# Altium PCB TIDA-01349_PCB.PcbDoc (part 1 of 2) (continued)
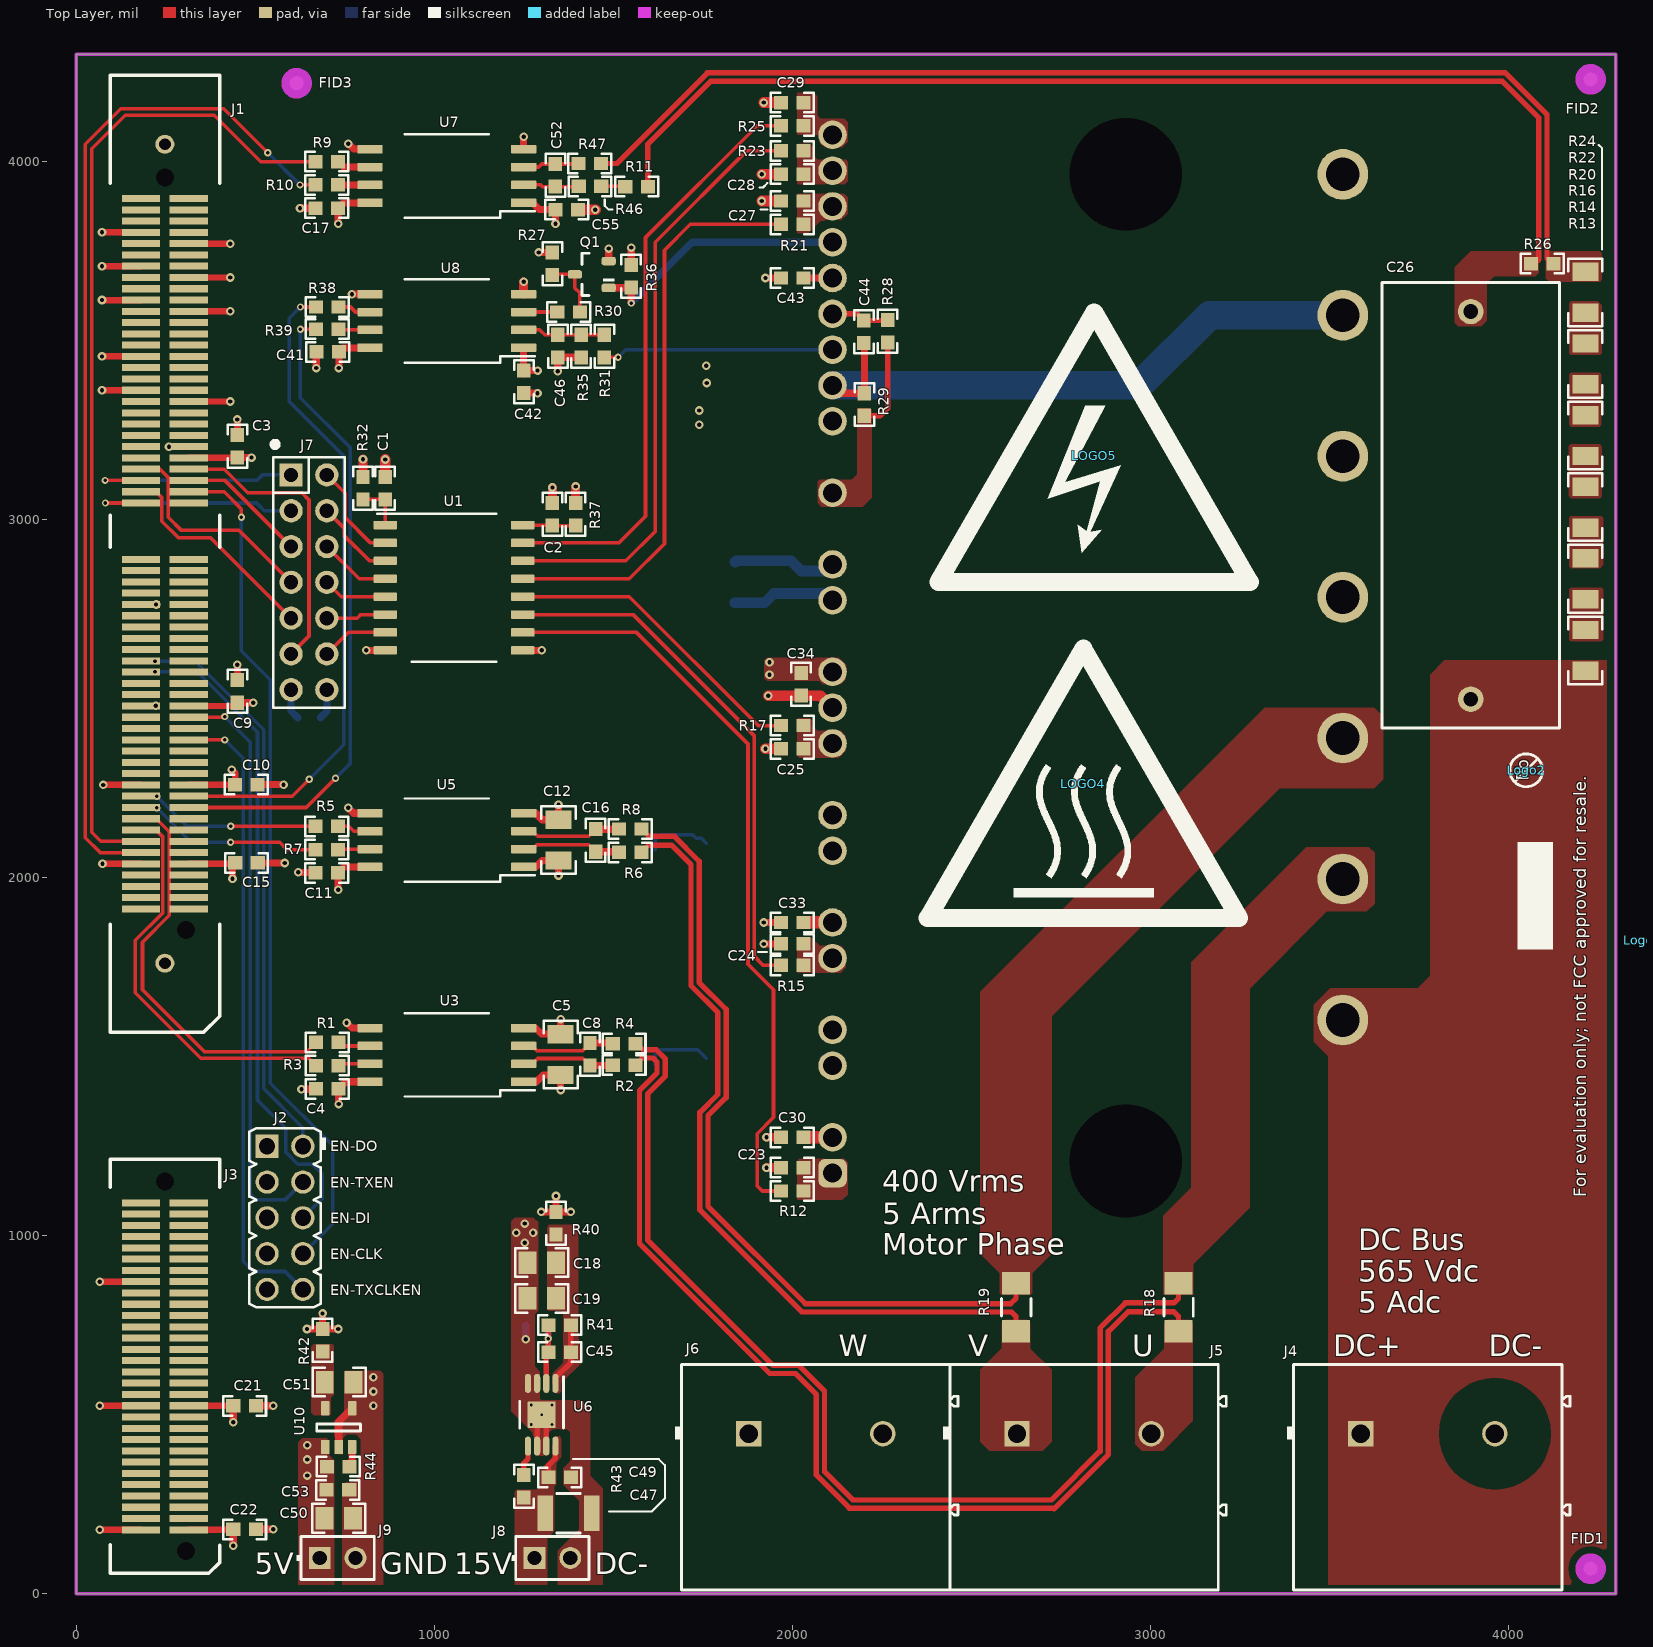
[diagram p0: Top Layer view]
## Part data (continued)
C44: library part CMP-0006888-2, "CAP, CERM, 180 pF, 50 V, +/- 5%, C0G/NP0, 0603", Cap_Case=0603, Manufacturer=Kemet, Supplier Part Number 1=399-1064-1-ND, TempCo=C0G/NP0, Tolerance_%=5%, Value1=Unknown, Value2=50V, ValueDisplayed=180pF, AEC Category=Q200, AEC Qualified=?, Cap_F=180pF, ComponentLink1Description="Datasheet link", ComponentLink1URL=http://www.kemet.com/kemet/web/homepage/kechome.nsf/vapubfiles/F3102_Y5V.pdf/$file/F3102_Y5V.pdf, CompType=Capacitor, LatestRevisionDate=2017-03-09, MountType=SMT, PackageReference=0603, PartNumber=C0603C181J5GACTU, Polarized=N, Published=2008-06-19, Publisher="Texas Instruments", RoHS=Y, SizeArea_mm2=1.28, SizeAreaWB_mm2=4.68, SizeX_mm=1.6, SizeY_mm=0.8, SizeZ_mm=1, Supplier 1=Digi-Key, Supplier 2=Mouser, Supplier 3=Farnell, Supplier Part Number 2=80-C0603C181J5G, Supplier Part Number 3=1414621, TaMax_C=125°C, TaMin_C=-55°C, Technology=Ceramic, U/M=EA, VDC_V=50V
C45: library part CMP-0007433-4, "CAP, CERM, 0.01 uF, 50 V, +/- 10%, X7R, 0603", Cap_Case=0603, Manufacturer=MuRata, Supplier Part Number 1=490-1512-1-ND, TempCo=X7R, Tolerance_%=10%, Value1=Unknown, Value2=50V, ValueDisplayed=0.01uF, AEC Category=Q200, AEC Qualified=?, Cap_F=10nF, ComponentLink1Description="Datasheet link", ComponentLink1URL=http://search.murata.co.jp/Ceramy/PnsearchViewAction.do?HnOFG=ON&HnNFG=ON&SEL_CNT=50&sLang=en&sKey=GRM188R71H103KA01D&x=9&y=9&search=startwith, CompType=Capacitor, LatestRevisionDate=2017-03-09, MountType=SMT, PackageReference=0603, PartNumber=GRM188R71H103KA01D, Polarized=N, Published=2008-06-19, Publisher="Texas Instruments", RoHS=Y, SizeArea_mm2=1.28, SizeAreaWB_mm2=4.68, SizeX_mm=1.6, SizeY_mm=0.8, SizeZ_mm=1, Supplier 1=Digi-Key, Supplier 2=Mouser, Supplier 3=Farnell, Supplier Part Number 2=81-GRM39X103K50D, Supplier Part Number 3=8819980, TaMax_C=125°C, TaMin_C=-55°C, Technology=Ceramic, U/M=EA, VDC_V=50V
C47: library part CMP-0009120-1, "CAP, CERM, 10 uF, 50 V, +/- 20%, X7R, 1210", Cap_Case=1210, Manufacturer=TDK, Supplier Part Number 1=445-14933-1-ND, TempCo=X7R, Tolerance_%=20%, Value1=Unknown, Value2=50V, ValueDisplayed=10uF, AEC Category=Q200, AEC Qualified=?, Cap_F=10µF, ComponentLink1Description="Datasheet link", ComponentLink1URL=http://product.tdk.com/en/catalog/datasheets/mlcc_commercial_general_en.pdf, CompType=Capacitor, LatestRevisionDate=2017-03-09, MountType=SMT, PackageReference=1210, PartNumber=C3225X7R1H106M250AC, Polarized=N, Published=2008-06-19, Publisher="Texas Instruments", RoHS=Y, SizeArea_mm2=8, SizeAreaWB_mm2=14.7, SizeX_mm=3.2, SizeY_mm=2.5, SizeZ_mm=2.8, Supplier 1=Digi-Key, Supplier 2=Newark, Supplier 3=Mouser, Supplier Part Number 2=29X4867, Supplier Part Number 3=810-C3225X7R1H106MAC, TaMax_C=125°C, TaMin_C=-55°C, Technology=Ceramic, U/M=EA, VDC_V=50V
D1 D2 D3 D4: library part CMP-0005414-2, "Diode, Zener, 20 V, 1 W, PowerDI123", Manufacturer="Diodes Inc.", Power_W=1W, Supplier Part Number 1=DFLZ20DICT-ND, AEC Category=Q101, AEC Qualified=?, ComponentLink1Description="Datasheet link", ComponentLink1URL=http://www.diodes.com/datasheets/ds30464.pdf, CompType=Zener, LatestRevisionDate=2017-03-09, LatestRevisionNote="Updated Supplier Data", MountType=SMT, PackageReference=PowerDI123, PartNumber=DFLZ20-7, Published=2008-10-08, Publisher="Texas Instruments", RJA_CperW=110, RoHS=Y, SizeArea_mm2=6.586, SizeAreaWB_mm2=13.066, SizeX_mm=3.7, SizeY_mm=1.78, SizeZ_mm=0.98, Supplier 1=Digi-Key, Supplier 2=Mouser, Supplier Part Number 2=621-DFLZ20-7, U/M=EA, Value1=1W, Vz_V=20V
FID1 FID2 FID3 FID4 FID5 FID6: library part CMP-0077181-1, "Fiducial mark.  There is nothing to buy or mount.", Manufacturer=N/A, ClassName=FiducialMark, CompType=Fiducial, MountType=N/A, PackageReference=N/A, PartNumber=N/A
J1: library part CMP-0003814-1, "C2000 controlCARD-120HSEC connector, SMT", Manufacturer=Samtec, ComponentLink1Description="Datasheet Link", ComponentLink1URL=http://www.samtec.com/ftppub/pdf/hsec8_dv.pdf, CompType=Connector, Key=controlCARD-120HSEC, LatestRevisionDate=2017-03-09, MountType=SMT, Note="The pin numbering does not match Samtec datasheet", PackageReference="C2000 pin numbering", PartNumber=HSEC8-160-01-L-DV-A-BL, Publisher="Texas Instruments", RoHS=Y
J2: library part CMP-0054806-1, "Header, 2.54 mm, 5x2, Gold, TH", Manufacturer="Wurth Elektronik", Supplier Part Number 1=732-2672-ND, ClassName=Header, CNHeader=TRUE, ComponentLink1Description="Datasheet URL", ComponentLink1URL=http://katalog.we-online.de/em/datasheet/6130xx21121.pdf, CompType=Header, CT=FALSE, Green_EU RoHS=Passed, Green_EU RoHS-2=Incomplete, Green_Lifecycle=Active, Green_REACh=Passed, LatestRevisionDate=26/05/2017, MountType=TH, PackageReference="Header, 2.54mm, 5x2, TH", PartNumber=61301021121, Publisher="Texas Instruments", RoHS=Y, Supplier 1=Digi-Key, Supplier 2=Newark, Supplier 3=Mouser, Supplier Part Number 2=16T0631, Supplier Part Number 3=710-61301021121
J3: library part CMP-0003859-1, "C2000 controlCARD-180HSEC (60-pin addon) connector, SMT", Manufacturer=Samtec, ComponentLink1Description="Datasheet Link", ComponentLink1URL=http://suddendocs.samtec.com/prints/hsec8-1xxx-xx-xx-dv-x-xx-mkt.pdf, CompType=Connector, Key=controlCARD-180HSEC-60pinAddon, LatestRevisionDate=2017-03-09, MountType=SMT, Note="The pin numbering does not match Samtec datasheet", PackageReference="C2000 pin numbering", PartNumber=HSEC8-130-01-L-DV-A, Publisher="Texas Instruments", RoHS=Y
J4 J5 J6: library part CMP-0055527-1, "Terminal Block, 9.52mm, 2x1, R/A, TH", Color=Green, Current_A=32A, Manufacturer="Phoenix Contact", Supplier Part Number 1=277-5951-ND, Voltage_V=1kV, Cert_UL=Y, Cert_VDE=Y, CNHeader=FALSE, ComponentLink1Description="Datasheet URL", ComponentLink1URL=https://www.phoenixcontact.com/online/portal/in?uri=pxc-oc-itemdetail:pid=1902547&library=inen&tab=1&requestType=product&product, CompType="Terminal Block", CT=TRUE, Gender=Female, LatestRevisionDate=26/05/2017, MountType=TH, Orientation=R/A, PackageReference="Terminal Block, 2x1, Pitch 9.52mm", PartNumber=1902547, PinCount=2, Pitch_mm=9.52, Publisher="Texas Instruments", RoHS=Y, Row_Count=1, Supplier 1=Digi-Key, Supplier 2=Mouser, Supplier Part Number 2=651-1902547
J7: library part CMP-0002339-1, "Header, 100mil, 7x2, Tin, TH", Color=Black, Current_A=3A, Manufacturer="Sullins Connector Solutions", Supplier Part Number 1=S2012E-07-ND, Voltage_V=1.8kV, Cert_UL=Y, ClassName=Header, CNHeader=TRUE, ComponentLink1Description="Datasheet URL", ComponentLink1URL=http://www.sullinscorp.com/catalogs/77_PAGE108-109_.100_MALE_HDR.pdf, CompType=Header, ContactFinish=Tin, CT=FALSE, Gender=Male, Green_EU RoHS=Passed, Green_EU RoHS-2=Passed, Green_Lifecycle=Active, Green_REACh=Passed, LatestRevisionDate=26/05/2017, MountType=TH, Orientation=Vertical, PackageReference="Header, 7x2, 100mil, Tin", PartNumber=PEC07DAAN, PinCount=14, Pitch_mm=2.54, Publisher="Texas Instruments", RoHS=Y, Row_Count=2, RowSpacing_mm=2.54, Shrouded=N, Supplier 1=Digi-Key
J8 J9: library part CMP-0054594-1, "Header, 2.54mm, 1x2, Tin, Black, TH", Color=Black, Current_A=3A, Manufacturer="Sullins Connector Solutions", Supplier Part Number 1=S2012E-01-ND, Voltage_V=1.8kV, Cert_UL=Y, ClassName=Header, CNHeader=TRUE, ComponentLink1Description="Datasheet URL", ComponentLink1URL=http://www.sullinscorp.com/catalogs/77_PAGE108-109_.100_MALE_HDR.pdf, CompType=Header, ContactFinish=Tin, CT=FALSE, Gender=Male, Green_EU RoHS=Passed, Green_EU RoHS-2=Passed, Green_Lifecycle=Active, Green_REACh=Passed, LatestRevisionDate=26/05/2017, MountType=TH, Orientation=Vertical, PackageReference="Header, 2.54mm, 2x1, TH", PartNumber=PEC01DAAN, PinCount=2, Pitch_mm=2.54, Publisher="Texas Instruments", RoHS=Y, Row_Count=2, RowSpacing_mm=2.54, Shrouded=N, Supplier 1=Digi-Key
Logo2: library part CMP-0074839-1, LatestRevisionDate=2017-07-06, Lib Reference=Pb-Free, PartNumber="Pb-Free Symbol", Published=2009-03-03, Publisher="Texas Instruments", SymbolCreator=a0412235, SymbolVersion=2011-08-22
Logo3: library part CMP-0074847-1, "FCC_disclaimer", LatestRevisionDate=2017-07-06, Lib Reference=FCC_disclaimer, PartNumber="FCC disclaimer", Published=2009-03-03, Publisher="Texas Instruments"
LOGO4: library part CMP-0074837-1, "IEC 61010-1 Hot Surface Warning", LatestRevisionDate=2017-07-06, Lib Reference=IEC_HotSurface, PartNumber="CAUTION HOT SURFACE", Published=2009-03-03, Publisher="Texas Instruments", SymbolCreator=a0412235, SymbolVersion=2011-08-22
LOGO5: library part CMP-0074835-1, "IEC 61010-1 High Voltage Warning", LatestRevisionDate=2017-07-06, Lib Reference=IEC_HighVoltage, PartNumber="DANGER HIGH VOLTAGE", Published=2009-03-03, Publisher="Texas Instruments", SymbolCreator=a0412235, SymbolVersion=2011-08-22
Q1: library part CMP-0000221-1, "MOSFET, N-CH, 20 V, 0.75 A, SOT-23", Alternate Manufacturer=None, Manufacturer="ON Semiconductor", Supplier Part Number 1=MGSF1N02LT1GOSCT-ND, Value1=0.1, Value2="6 nC", AEC Category=Q101, AEC Qualified=?, ChType=N, ComponentLink1Description="Datasheet link", ComponentLink1URL=http://www.onsemi.com/pub_link/Collateral/MGSF1N02LT1-D.PDF, CompType=MOSFET, IdsMax_A=7.5dA, LatestRevisionDate=2017-03-09, LatestRevisionNote="Added parts.", MountType=SMT, PackageReference=SOT-23, PartNumber=MGSF1N02LT1G, Published=2008-06-19, Publisher="Texas Instruments", QgTyp_nC=6, Rdson45_ohm=1.3d, RoHS=Y, SizeArea_mm2=7.5, SizeAreaWB_mm2=14, SizeX_mm=2.5, SizeY_mm=3, SizeZ_mm=1.1, Supplier 1=Digi-Key, Supplier 2=Newark, Supplier 3=Mouser, Supplier Part Number 2=85W3162, Supplier Part Number 3=863-MGSF1N02LT1G, U/M=EA, VdsMax_V=20V, Vgs_V=20V
R1 R2 R3 R4 R5 R6 R7 R8 R9 R10 R38 R39 R46 R47: library part CMP-0022928-1, "RES, 22.0, 1%, 0.1 W, 0603", Manufacturer="Yageo America", Power_W=100mW, Supplier Part Number 1=311-22.0HRCT-ND, TempCo="200 ppm/C", Tolerance_%=1%, Value2=0.1W, Value_Code=22R0, ValueDisplayed=22.0, AEC Category=Q200, AEC Qualified=?, ComponentLink1Description="Datasheet link", ComponentLink1URL=http://www.yageo.com/pdf/Pu-RC0603_51_PbFree_L_2.pdf, CompType=Resistor, LatestRevisionDate=2017-03-09, MountType=SMT, PackageReference=0603, PartNumber=RC0603FR-0722RL, Published=2008-06-26, Publisher="Texas Instruments", Res_ohm=22, RoHS=Y, SizeArea_mm2=1.28, SizeX_mm=1.6, SizeY_mm=0.8, SizeZ_mm=1, Supplier 1=Digi-Key, Supplier 2=Mouser, Supplier 3=Farnell, Supplier Part Number 2=603-RC0603FR-0722RL, Supplier Part Number 3=9238280, Technology="Thick Film", U/M=EA, Value1=1%, VDC_V=150V
R11 R26: library part CMP-0022096-3, "RES, 187, 1%, 0.1 W, 0603", Manufacturer=Vishay-Dale, Power_W=100mW, Supplier Part Number 1=541-187HCT-ND, TempCo="100 ppm/C", Tolerance_%=1%, Value2=0.1W, Value_Code=187R, ValueDisplayed=187, AEC Category=Q200, AEC Qualified=?, ComponentLink1Description="Datasheet link", ComponentLink1URL=http://www.vishay.com/docs/20035/dcrcwe3.pdf, CompType=Resistor, EIA_Code=E96, LatestRevisionDate=2017-03-09, MountType=SMT, PackageReference=0603, PartNumber=CRCW0603187RFKEA, Published=2008-06-26, Publisher="Texas Instruments", Res_ohm=187, RoHS=Y, SizeArea_mm2=1.28, SizeX_mm=1.6, SizeY_mm=0.8, SizeZ_mm=1, Supplier 1=Digi-Key, Supplier 2=Mouser, Supplier 3=Farnell, Supplier Part Number 2=71-CRCW0603-187-E3, Supplier Part Number 3=1897290, Technology="Thick Film", U/M=EA, Value1=1%, VDC_V=75V
R12 R15 R17 R21 R23 R25 R29: library part CMP-0021991-2, "RES, 100, 1%, 0.1 W, 0603", Manufacturer=Vishay-Dale, Power_W=100mW, Supplier Part Number 1=541-100HCT-ND, TempCo="100 ppm/C", Tolerance_%=1%, Value2=0.1W, Value_Code=100R, ValueDisplayed=100, AEC Category=Q200, AEC Qualified=?, ComponentLink1Description="Datasheet link", ComponentLink1URL=http://www.vishay.com/docs/20035/dcrcwe3.pdf, CompType=Resistor, EIA_Code=E96, LatestRevisionDate=2017-03-09, MountType=SMT, PackageReference=0603, PartNumber=CRCW0603100RFKEA, Published=2008-06-26, Publisher="Texas Instruments", Res_ohm=100, RoHS=Y, SizeArea_mm2=1.28, SizeX_mm=1.6, SizeY_mm=0.8, SizeZ_mm=1, Supplier 1=Digi-Key, Supplier 2=Newark, Supplier 3=Mouser, Supplier Part Number 2=52K8078, Supplier Part Number 3=71-CRCW0603-100-E3, Technology="Thick Film", U/M=EA, Value1=1%, VDC_V=75V
R13 R14 R16 R20 R22 R24: library part CMP-0016568-2, "RES, 100 k, 1%, 0.25 W, 1206", Manufacturer=Vishay-Dale, Power_W=250mW, Supplier Part Number 1=541-100KFCT-ND, TempCo="100 ppm/C", Tolerance_%=1%, Value2=0.25W, Value_Code=100k, AEC Category=Q200, AEC Qualified=?, ComponentLink1Description="Datasheet link", ComponentLink1URL=http://www.vishay.com/docs/20035/dcrcwe3.pdf, CompType=Resistor, EIA_Code=E96, LatestRevisionDate=2017-03-09, MountType=SMT, PackageReference=1206, PartNumber=CRCW1206100KFKEA, Published=2008-06-26, Publisher="Texas Instruments", Res_ohm=100k, RoHS=Y, SizeArea_mm2=5.12, SizeX_mm=3.2, SizeY_mm=1.6, SizeZ_mm=1.35, Supplier 1=Digi-Key, Supplier 2=Newark, Supplier 3=Mouser, Supplier Part Number 2=53K1920, Supplier Part Number 3=71-CRCW1206-100K-E3, Technology="Thick Film", U/M=EA, Value1=1%, ValueDisplayed=100k, VDC_V=200V
R18 R19: library part CMP-0065336-2, "RES, 0.005, 1%, 1 W, 1206", Manufacturer="Stackpole Electronics Inc", Power_W=1W, Supplier Part Number 1=CSNL1206FT5L00CT-ND, TempCo="50 ppm/C", Tolerance_%=1%, Value_Code=5L000, ValueDisplayed=0.005, AEC Category=Q200, AEC Grade=N/A, AEC Qualified=N, ComponentLink1Description="Datasheet link", ComponentLink1URL=https://www.seielect.com/Catalog/SEI-csnl.pdf, CompType=Resistor, EIA_Code=E96, LatestRevisionDate=2017-06-05, MountType=SMT, PackageReference=1206, PartNumber=CSNL1206FT5L00, Published=2008-06-26, Publisher="Texas Instruments", Res_ohm=5m, RoHS=Y, SizeArea_mm2=5.12, SizeX_mm=3.2, SizeY_mm=1.6, SizeZ_mm=0.9, Supplier 1=Digi-Key, Technology="Metal Foil", U/M=EA, Value1=1%, Value2=1W
R27 R28 R36 R43 R44 R45: library part CMP-0021998-2, "RES, 10.0 k, 1%, 0.1 W, 0603", Manufacturer=Vishay-Dale, Power_W=100mW, Supplier Part Number 1=541-10.0KHCT-ND, TempCo="100 ppm/C", Tolerance_%=1%, Value2=0.1W, Value_Code=10k0, ValueDisplayed=10.0k, AEC Category=Q200, AEC Qualified=?, ComponentLink1Description="Datasheet link", ComponentLink1URL=http://www.vishay.com/docs/20035/dcrcwe3.pdf, CompType=Resistor, EIA_Code=E96, LatestRevisionDate=2017-03-09, MountType=SMT, PackageReference=0603, PartNumber=CRCW060310K0FKEA, Published=2008-06-26, Publisher="Texas Instruments", Res_ohm=10k, RoHS=Y, SizeArea_mm2=1.28, SizeX_mm=1.6, SizeY_mm=0.8, SizeZ_mm=1, Supplier 1=Digi-Key, Supplier 2=Newark, Supplier 3=Mouser, Supplier Part Number 2=52K8062, Supplier Part Number 3=71-CRCW0603-10K-E3, Technology="Thick Film", U/M=EA, Value1=1%, VDC_V=75V
R30 R32 R37 R40 R42: library part CMP-0025697-3, "RES, 0, 5%, 0.1 W, 0603", Manufacturer=Vishay-Dale, Power_W=100mW, Supplier Part Number 1=541-0.0GCT-ND, TempCo="200 ppm/C", Tolerance_%=5%, Value2=0.1W, Value_Code=0000, ValueDisplayed=0, AEC Category=Q200, AEC Qualified=?, ComponentLink1Description="Datasheet link", ComponentLink1URL=http://www.vishay.com/docs/20035/dcrcwe3.pdf, CompType=Resistor, EIA_Code=E24, LatestRevisionDate=2017-03-09, MountType=SMT, PackageReference=0603, PartNumber=CRCW06030000Z0EA, Published=2008-06-26, Publisher="Texas Instruments", Res_ohm=0, RoHS=Y, SizeArea_mm2=1.28, SizeX_mm=1.6, SizeY_mm=0.8, SizeZ_mm=1, Supplier 1=Digi-Key, Supplier 2=Newark, Supplier 3=Mouser, Supplier Part Number 2=52K8014, Supplier Part Number 3=71-CRCW0603-0-E3, Technology="Thick Film", U/M=EA, Value1=5%, VDC_V=75V
R31: library part CMP-0023149-3, "RES, 4.42 k, 1%, 0.1 W, 0603", Manufacturer="Yageo America", Power_W=100mW, Supplier Part Number 1=311-4.42KHRCT-ND, TempCo="200 ppm/C", Tolerance_%=1%, Value2=0.1W, Value_Code=4k42, ValueDisplayed=4.42k, AEC Category=Q200, AEC Qualified=?, ComponentLink1Description="Datasheet link", ComponentLink1URL=http://www.yageo.com/pdf/Pu-RC0603_51_PbFree_L_2.pdf, CompType=Resistor, EIA_Code=E96, LatestRevisionDate=2017-03-09, MountType=SMT, PackageReference=0603, PartNumber=RC0603FR-074K42L, Published=2008-06-26, Publisher="Texas Instruments", Res_ohm=4.42k, RoHS=Y, SizeArea_mm2=1.28, SizeX_mm=1.6, SizeY_mm=0.8, SizeZ_mm=1, Supplier 1=Digi-Key, Supplier 2=Mouser, Supplier 3=Farnell, Supplier Part Number 2=603-RC0603FR-074K42L, Supplier Part Number 3=9238565, Technology="Thick Film", U/M=EA, Value1=1%, VDC_V=150V
R35: library part CMP-0022409-4, "RES, 402, 1%, 0.1 W, 0603", Manufacturer=Vishay-Dale, Power_W=100mW, Supplier Part Number 1=541-402HCT-ND, TempCo="100 ppm/C", Tolerance_%=1%, Value2=0.1W, Value_Code=402R, ValueDisplayed=402, AEC Category=Q200, AEC Qualified=?, ComponentLink1Description="Datasheet link", ComponentLink1URL=http://www.vishay.com/docs/20035/dcrcwe3.pdf, CompType=Resistor, EIA_Code=E96, LatestRevisionDate=2017-03-09, MountType=SMT, PackageReference=0603, PartNumber=CRCW0603402RFKEA, Published=2008-06-26, Publisher="Texas Instruments", Res_ohm=402, RoHS=Y, SizeArea_mm2=1.28, SizeX_mm=1.6, SizeY_mm=0.8, SizeZ_mm=1, Supplier 1=Digi-Key, Supplier 2=Newark, Supplier 3=Mouser, Supplier Part Number 2=52K8512, Supplier Part Number 3=71-CRCW0603-402-E3, Technology="Thick Film", U/M=EA, Value1=1%, VDC_V=75V
R41: library part CMP-0023030-3, "RES, 32.4 k, 1%, 0.1 W, 0603", Manufacturer="Yageo America", Power_W=100mW, Supplier Part Number 1=311-32.4KHRCT-ND, TempCo="200 ppm/C", Tolerance_%=1%, Value2=0.1W, Value_Code=32k4, ValueDisplayed=32.4k, AEC Category=Q200, AEC Qualified=?, ComponentLink1Description="Datasheet link", ComponentLink1URL=http://www.yageo.com/pdf/Pu-RC0603_51_PbFree_L_2.pdf, CompType=Resistor, EIA_Code=E96, LatestRevisionDate=2017-03-09, MountType=SMT, PackageReference=0603, PartNumber=RC0603FR-0732K4L, Published=2008-06-26, Publisher="Texas Instruments", Res_ohm=32.4k, RoHS=Y, SizeArea_mm2=1.28, SizeX_mm=1.6, SizeY_mm=0.8, SizeZ_mm=1, Supplier 1=Digi-Key, Supplier 2=Mouser, Supplier Part Number 2=603-RC0603FR-0732K4L, Technology="Thick Film", U/M=EA, Value1=1%, VDC_V=150V
U1: library part CMP-0078765-1, "High Speed, Robust EMC Six-Channel Digital Isolators, DW0016B (SOIC-16)", Alternate Manufacturer="Texas Instruments", Alternate PartNumber=ISO7760FDW, AEC Category=Q200, AEC Qualified=N, ComponentLink1Description="Datasheet Link", ComponentLink1URL=http://www.ti.com/lit/ds/symlink/iso7760.pdf, ComponentLink2Description="Product Folder", ComponentLink2URL=http://www.ti.com/product/iso7760, CompType=IC, Manufacturer="Texas Instruments", MountType=SMT, PackageDescription=SOIC-16, PackageReference=DW0016B, PartNumber=ISO7760FDWR, RoHS=Y, SizeArea_mm2=107.12, SizeAreaWB_mm2=152.52, SizeX_mm=10.4, SizeY_mm=10.3, SizeZ_mm=2.65
U2 U4: library part CMP-0074892-1, "100-mA, 30-V, Fixed-Output, Linear-Voltage Regulator, DBZ0003A (SOT-23-3)", Alternate Manufacturer="Texas Instruments", Alternate PartNumber=TLV76050DBZT, AEC Category=Q200, AEC Qualified=N, ComponentLink1Description="Datasheet Link", ComponentLink1URL=http://www.ti.com/lit/ds/symlink/tlv760.pdf, ComponentLink2Description="Product Folder", ComponentLink2URL=http://www.ti.com/product/tlv760, CompType=IC, Manufacturer="Texas Instruments", MountType=SMT, PackageDescription=SOT-23-3, PackageReference=DBZ0003A, PartNumber=TLV76050DBZR, RoHS=Y, SizeArea_mm2=7.5, SizeAreaWB_mm2=14.0, SizeX_mm=2.5, SizeY_mm=3.0, SizeZ_mm=1.12
U3 U5: library part CMP-0078157-2, "Small Reinforced Isolated Modulator With +/-50mV Input, Internal Clock, and CMOS Interface, DWV0008A (SOIC-8)", Alternate Manufacturer="Texas Instruments", Alternate PartNumber=AMC1303M0520DWV, AEC Category=Q200, AEC Qualified=N, ComponentLink1Description="Datasheet Link", ComponentLink1URL=http://www.ti.com/lit/ds/symlink/amc1303m0520.pdf, ComponentLink2Description="Product Folder", ComponentLink2URL=http://www.ti.com/product/amc1303m0520, CompType=IC, Manufacturer="Texas Instruments", MountType=SMT, PackageDescription=SOIC-8, PackageReference=DWV0008A, PartNumber=AMC1303M0520DWVR, RoHS=Y, SizeArea_mm2=67.275, SizeAreaWB_mm2=105.975, SizeX_mm=11.5, SizeY_mm=5.85, SizeZ_mm=2.8
U6: library part CMP-0035943-1, "Single Output LDO, 50 mA, Adjustable 1.175 to 26 V Output, 7 to 28 V Input, 8-pin MSOP (DGN), -40 to 125 degC, Green (RoHS & no Sb/Br)", Manufacturer="Texas Instruments", Accuracy(%)=1, Code_JEDEC=MO-187, ComponentLink1Description="Manufacturer URL", ComponentLink1URL=http://www.ti.com/, ComponentLink2Description=Datasheet, ComponentLink2URL=http://www.ti.com/general/docs/lit/getliterature.tsp?genericPartNumber=TPS7A4201&fileType=pdf, ComponentLink3Description="Package Specification", ComponentLink3URL=http://www.ti.com/litv/pdf/mpds046e, DatasheetVersion=SBVS184, Eco-Plan="Green (RoHS & no Sb/Br)", Iout(Max)(A)=0.05, Iq(Typ)(mA)=0.02, Mounting Technology="Surface Mount", PackageDescription="8-Pin Plastic Small Outline, Body 3 x 3 mm, Pitch 0.65 mm", PackageReference=DGN0008B, PackageVersion=4073271/F, PartNumber=TPS7A4201DGNR, SubFamily="Single Channel LDO", Vdo(Typ)(mV)=290, Vin(Max)(V)=28, Vin(Min)(V)=7, Vout Adj(Max)(V)=26, Vout Adj(Min)(V)=1.161
U7 U8: library part CMP-0078168-2, "Small Reinforced Isolated Modulator With +/-250mV Input, Internal Clock, and CMOS Interface, DWV0008A (SOIC-8)", Alternate Manufacturer="Texas Instruments", Alternate PartNumber=AMC1303M2520DWV, AEC Category=Q200, AEC Qualified=N, ComponentLink1Description="Datasheet Link", ComponentLink1URL=http://www.ti.com/lit/ds/symlink/amc1303m2520.pdf, ComponentLink2Description="Product Folder", ComponentLink2URL=http://www.ti.com/product/amc1303m2520, CompType=IC, Manufacturer="Texas Instruments", MountType=SMT, PackageDescription=SOIC-8, PackageReference=DWV0008A, PartNumber=AMC1303M2520DWVR, RoHS=Y, SizeArea_mm2=67.275, SizeAreaWB_mm2=105.975, SizeX_mm=11.5, SizeY_mm=5.85, SizeZ_mm=2.8
U9: library part CMP-0077821-1, "Dual-In-Line Package Intelligent Power Module, TH", Manufacturer=Mitsubishi, Supplier Part Number 1=55Y0369, ComponentLink1Description="Datasheet URL", ComponentLink1URL=http://www.mitsubishielectric.com/semiconductors/content/product/powermodule/dipipm/version6/pss15sa2ft_e.pdf, LatestRevisionDate=2017-09-19, MountType=TH, PackageReference=79x31mm, PartNumber=PSS15SA2FT, Publisher="Texas Instruments", RoHS=Y, SizeArea_mm2=2915.1, SizeAreaWB_mm2=3150.9, SizeX_mm=36.9, SizeY_mm=79.0, SizeZ_mm=8.0, Supplier 1=Newark
U10: library part CMP-0073776-1, "150-mA, 6.5-V, 1-uA IQ Voltage Regulators with Enable, DBV0005A (SOT-23-5)", Alternate Manufacturer="Texas Instruments", Alternate PartNumber=TPS70633DBVT, ComponentLink1Description="Datasheet Link", ComponentLink1URL=http://www.ti.com/lit/ds/symlink/tps706.pdf, CompType=IC, Footprint Path 6=C:\AltiumLibraries\Footprints\TI\.PcbLib, LatestRevisionDate=2017-06-09, Manufacturer="Texas Instruments", MountType=SMT, PackageDescription=SOT-23-5, PackageReference=DBV0005A, PartNumber=TPS70633DBVR, Publisher="Texas Instruments", RoHS=Y, SizeArea_mm2=8.12, SizeAreaWB_mm2=14.82, SizeX_mm=2.8, SizeY_mm=2.9, SizeZ_mm=1.45, U/M=EA
ZZ1: library part CMP-0003616-3, ClassName=AssemblyNote, CompType=AssemblyNote, Key=AssemblyNoteLabel, LatestRevisionDate=2017-03-09, Publisher="Texas Instruments"
ZZ2: library part CMP-0077236-1, ClassName=AssemblyNote, CompType=AssemblyNote, Key=AssemblyNote, LatestRevisionDate=2017-08-10, Publisher="Texas Instruments"
ZZ3: library part CMP-0077237-1, ClassName=AssemblyNote, CompType=AssemblyNote, Key=AssemblyNote, LatestRevisionDate=2017-08-10, Publisher="Texas Instruments"
ZZ4: library part CMP-0077238-1, ClassName=AssemblyNote, CompType=AssemblyNote, Key=AssemblyNote, LatestRevisionDate=2017-08-10, Publisher="Texas Instruments"

## Free pads (board coordinates)
  round 60 hole 314.96 unplated mask+6: 1(2931.3,1208.86) 1(2931.3,3964.76)

## Via types
v1: diameter 24, hole 12, Top Layer to Bottom Layer, 94 vias
v2: diameter 20, hole 10, Top Layer to Bottom Layer, 20 vias
v3: diameter 19.68, hole 7.87, Top Layer to Bottom Layer, 5 vias

## Nets (pads, with @x,y where several pads share a name; then routed paths per layer and width w, separated by ;. In a path a pad name is that pad's centre, name@x,y a point inside that pad or via, vN(x,y) a via of type N, cw(c..) or ccw(c..) an arc to the next point about the centre after c; other vN are vias at no path point)
3V3: C4.1 C11.1 C17.1 C41.1 C56.2 J7.13 R32.2 R42.2 U3.8 U5.8 U7.8 U8.8 | length 822.7
  Top Layer w20: v1(644.5,739.5) R42.2@688,739.5 ; v1(688,782.99) R42.2@688,739.5 ; v1(731.5,739.5) R42.2@688,739.5 ; v1(731.5,1966.5) C11.1@731.5,2013.54 747.95,2030 U5.8@820.43,2030 ; v1(731.5,3826.5) C17.1@731.5,3870 746.5,3885 U7.8@820.43,3885 ; v1(732.8,1367.8) C4.1@732.8,1410 752.8,1430 U3.8@820.43,1430 ; v1(733.5,3423.5) C41.1@733.5,3469 744.5,3480 U8.8@820.43,3480
  Top Layer w25: R32.2@801,3119.5 v1(801,3169)
  Bottom Layer w20: J7.13@600,2525 600,2465.49 C56.2@618.8,2446.69
5V: C3.1 C9.1 C10.1 C15.1 C21.1 C22.1 C50.1 C53.1 J1.48 J1.84 J1.98 J1.112 J3.158 J3.180 J9.1 R44.2 U10.1 | length 1048.8
  Top Layer w18: J3.180@314.62,178.63 C22.1@437.14,178.63 ; J1.112@314.62,2038.69 C15.1@441.3,2038.69 ; J1.98@314.62,2259.16 442.67,2259.16 C10.1@443.5,2260 443.5,2292.5 v1(434,2302) ; J1.84@314.62,2479.64 C9.1@440.85,2479.64 ; J1.48@314.62,3172.55 C3.1@449.05,3172.55 ; J3.158@314.71,525 C21.1@438.5,525
  Top Layer w20: v1(436.3,1996.69) 436.3,2033.69 441.3,2038.69 C15.1@443.99,2041.39 ; C22.1@437.14,178.63 C22.1@438.5,180 v1(438.5,133.9) ; v1(438.5,478.9) C21.1@438.5,525 ; C9.1@440.85,2479.64 C9.1@450,2488.78 v1(494.21,2488.78) ; C3.1@449.05,3172.55 C3.1@450,3173.5 v1(489.49,3173.5)
  other v1: 645,330 645,375 645,415
5V_ISO: C42.1 C55.2 R27.1 R36.2 R37.2 R40.2 U7.1 U8.1 | length 502.9
  Top Layer w20: C42.1@1249.57,3406.93 U8.1@1249.57,3480 ; U7.1@1249.57,3885 1274,3885 1293,3866 C55.2@1338.5,3866 v1(1338.5,3826.5) ; C42.1@1250,3416.5 v1(1288.5,3416.5) ; v1(1291.5,3746.5) R27.1@1330,3746.5 ; v1(1298.5,1066.5) R40.2@1340,1066.5 v1(1381.5,1066.5) ; R40.2@1340,1069.43 v1(1340,1110.92) ; R36.2@1550,3711.5 v1(1550,3760)
  Top Layer w25: R37.2@1395,3049.43 v1(1395,3092.93)
5V_PH_U: C5.2 C6.1 U2.1 U3.1 | length 153.2
  Top Layer w20: U3.1@1249.57,1430 1285,1430 1303.91,1448.91 C5.2@1353,1448.91 v1(1353,1407)
5V_PH_V: C12.2 C13.1 U4.1 U5.1 | length 146.8
  Top Layer w20: U5.1@1249.57,2030 1283.42,2030 1301.33,2047.91 C12.2@1347,2047.91 v1(1347,2006)
CLK_I_U: J1.105 R3.2 | length 1125.5
  Top Layer w10: J1.105@180.76,2133.18 222.82,2133.18 242.13,2113.87 242.13,1902.13 165,1825 165,1679 347.87,1496.13 648.68,1496.13 R3.2@669.8,1475
CLK_I_V: J1.101 R7.2 | length 536.5
  Top Layer w10: J1.101@180.76,2196.17 181.93,2195 v2(225,2195) ; v2(431,2099) 568,2099 588.46,2078.54 R7.2@668.5,2078.54
  Bottom Layer w10: v2(225,2195) 321,2099 v2(431,2099)
CLK_V_DC_bus: J1.109 R10.2 | length 2882.7
  Top Layer w10: J1.109@180.76,2070.19 66.81,2070.19 25,2112 25,4049 123.87,4147.87 412.13,4147.87 v2(535,4025) ; v2(625,3935) R10.2@668.5,3935
  Bottom Layer w10: v2(535,4025) v2(625,3935)
CLK_V_temp: J1.102 R39.2 | length 1815.3
  Top Layer w10: J1.102@314.62,2196.17 642.17,2196.17 v2(724,2278) ; v2(626,3532) R39.2@669.5,3532
  Bottom Layer w10: v2(626,3532) 626,3340.63 765,3201.63 765,2319 v2(724,2278)
DAT_I_U: J1.103 R1.2 | length 1134.7
  Top Layer w10: J1.103@181.43,2164 J1.103@180.76,2164.67 223.33,2164.67 260,2128 260,1894.72 185,1819.72 185,1687 358,1514 643.8,1514 R1.2@669.8,1540
DAT_I_V: J1.99 R5.2 | length 522.6
  Top Layer w10: J1.99@180.76,2227.67 v2(224.67,2227.67) ; v2(431.46,2143.54) R5.2@668.5,2143.54
  Bottom Layer w10: v2(224.67,2227.67) 308.81,2143.54 v2(431.46,2143.54)
DAT_V_DC_bus: J1.107 R9.2 | length 2775.6
  Top Layer w10: J1.107@180.76,2101.68 68.32,2101.68 42.87,2127.13 42.87,4035.87 137,4130 385,4130 515,4000 R9.2@668.5,4000
DAT_V_temp: J1.100 R38.2 | length 1834.2
  Top Layer w10: J1.100@314.62,2227.67 603.67,2227.67 v2(651,2275) ; v2(626,3594) R38.2@669.5,3594
  Bottom Layer w10: v2(626,3594) 595,3563 595,3330 747.13,3177.87 747.13,2371.13 v2(651,2275)
DC+: C26.1 J4.1 R13.2 U9.40
DC-: C2.2 C18.2 C19.2 C23.2 C24.2 C25.2 C26.2 C27.2 C28.2 C29.2 C30.2 C33.2 C34.2 C37.2 C38.2 C42.2 C43.1 C44.2 C46.2 C47.2 C49.2 C55.1 D3.2 J4.2 J8.2 Q1.2 R11.1 R26.1 R29.2 R35.1 R45.1 U1.9 U6.3 U6.4 U6.6 U6.7 U6.9 U7.4 U8.4 U9.15 U9.22 U9.34 U9.35 U9.36 | length 6162.2
  Top Layer w15: U6.6@1287.2,412.4 1287.2,487.2 v3(1300,500) 1312.8,487.2 U6.7@1312.8,412.4 ; R11.1@1596.5,3930 1596.5,4049.15 1772.35,4225 3982.65,4225 4085.18,4122.47 4085.18,3727.13 R26.1@4073.05,3715
  Top Layer w20: U1.9@1247,2634.93 U1.9@1246.93,2635 v1(1300,2635) ; U7.4@1249.57,4035 v1(1249.57,4069.57) ; C42.2@1250,3353.5 v1(1288.5,3353.5) ; v1(1345,3415) C46.2@1345,3453.5 R35.1@1410,3453.5 ; Q1.2@1487.24,3722.4 v1(1487.24,3757.24) ; v1(1920,1815) C24.2@1968.5,1815 ; v1(1920,1875) C33.2@1968.5,1875 ; v1(1925,3675) C43.1@1968.5,3675 ; U9.22@2112.4,3375 2134.21,3353.19 R29.2@2201.3,3353.19 2201.3,3492.21 C44.2@2200,3493.5
  Top Layer w25: U8.4@1249.57,3630 v1(1249.57,3664.57) ; C2.2@1330,3046.5 v1(1330,3090) ; v1(1928,1190) C23.2@1968.5,1190 ; v1(1928,1275) C30.2@1968.5,1275
  Top Layer w30: C55.1@1401.5,3866 v1(1450,3866) ; v1(1915,3890) C27.2@1968.5,3890 ; v1(1915,3965) C28.2@1968.5,3965 ; v1(1920,4165) C29.2@1968.5,4165 ; v1(1925,2360) C25.2@1968.5,2360
  Ground w80: 1867.99,3375 U9.22@2112.4,3375
  Bottom Layer w20: v1(1255.51,710.51) R45.1@1255.51,750
  Bottom Layer w80: U9.22@2112.4,3375 2969.6,3375 3165.67,3571.06 U9.35@3537.6,3571.06
  other v1: 1253,980 1229.23,1008.37 1276,1008 1253,1034 1936.3,2566.69 1936.3,2601.69 1761.3,3381.69 1760,3430
  other v3: 1270.87,472.83 1329.13,472.83 1270.87,527.17 1329.13,527.17
EN-CLK: J1.54 J2.8 | length 2386.3
  Top Layer w10: J1.54@314.62,3078.06 412.94,3078.06 461.3,3029.7 v2(461.3,3006.69)
  Bottom Layer w10: v2(461.3,3006.69) 461.3,2633.7 542,2553 542,1426 716,1252 716,1033.02 J2.8@632.98,950
EN-DI: J1.77 J2.6 | length 1878.4
  Top Layer w10: J1.77@180.76,2574.12 214.11,2574.12 214.99,2575 v2(220,2575)
  Bottom Layer w10: v2@215,2575 337.52,2575 506.25,2406.27 506.25,1411.19 506.3,1411.15 506.3,1378.7 585,1300 585,1233.84 618.84,1200 660,1200 687,1173 687,1104.02 J2.6@632.98,1050
EN-DO: J1.75 J2.2 | length 1631.6
  Top Layer w10: J1.75@180.76,2605.62 219.37,2605.62 v2(219.99,2605)
  Bottom Layer w10: v2(219.99,2605) 332.8,2605 524.13,2413.67 524.13,1418.6 524.17,1418.55 524.17,1410.83 632.98,1302.02 J2.2@632.98,1250
EN-TXCLKEN: J1.90 J2.10 | length 1777.3
  Top Layer w10: J1.90@314.62,2385.15 414.84,2385.15 v2(414.99,2385)
  Bottom Layer w10: v2(414.99,2385) 466.3,2333.7 466.3,2223.45 466.38,2223.37 466.38,2204.42 466.3,2204.34 466.3,928.7 495,900 582.98,900 J2.10@632.98,850
EN-TXEN: J1.86 J2.4 | length 1638.3
  Top Layer w10: J1.86@314.62,2448.14 413.12,2448.14 v2(414.99,2450)
  Bottom Layer w10: v2(414.99,2450) 486.3,2378.7 486.3,1116.68 502.98,1100 582.98,1100 J2.4@632.98,1150
FAULT: Q1.1 R36.1 U9.26 | length 739.5
  Top Layer w10: R36.1@1549.09,3647.6 R36.1@1550,3648.5
  Top Layer w20: Q1.1@1487.24,3647.6 R36.1@1549.09,3647.6 ; v2(1550,3605) R36.1@1550,3648.5
  Bottom Layer w20: v2(1550,3605) 1720,3775 U9.26@2112.4,3775